# Altium PCB 全兼容主控.PCBDOC (part 5 of 9) (continued)
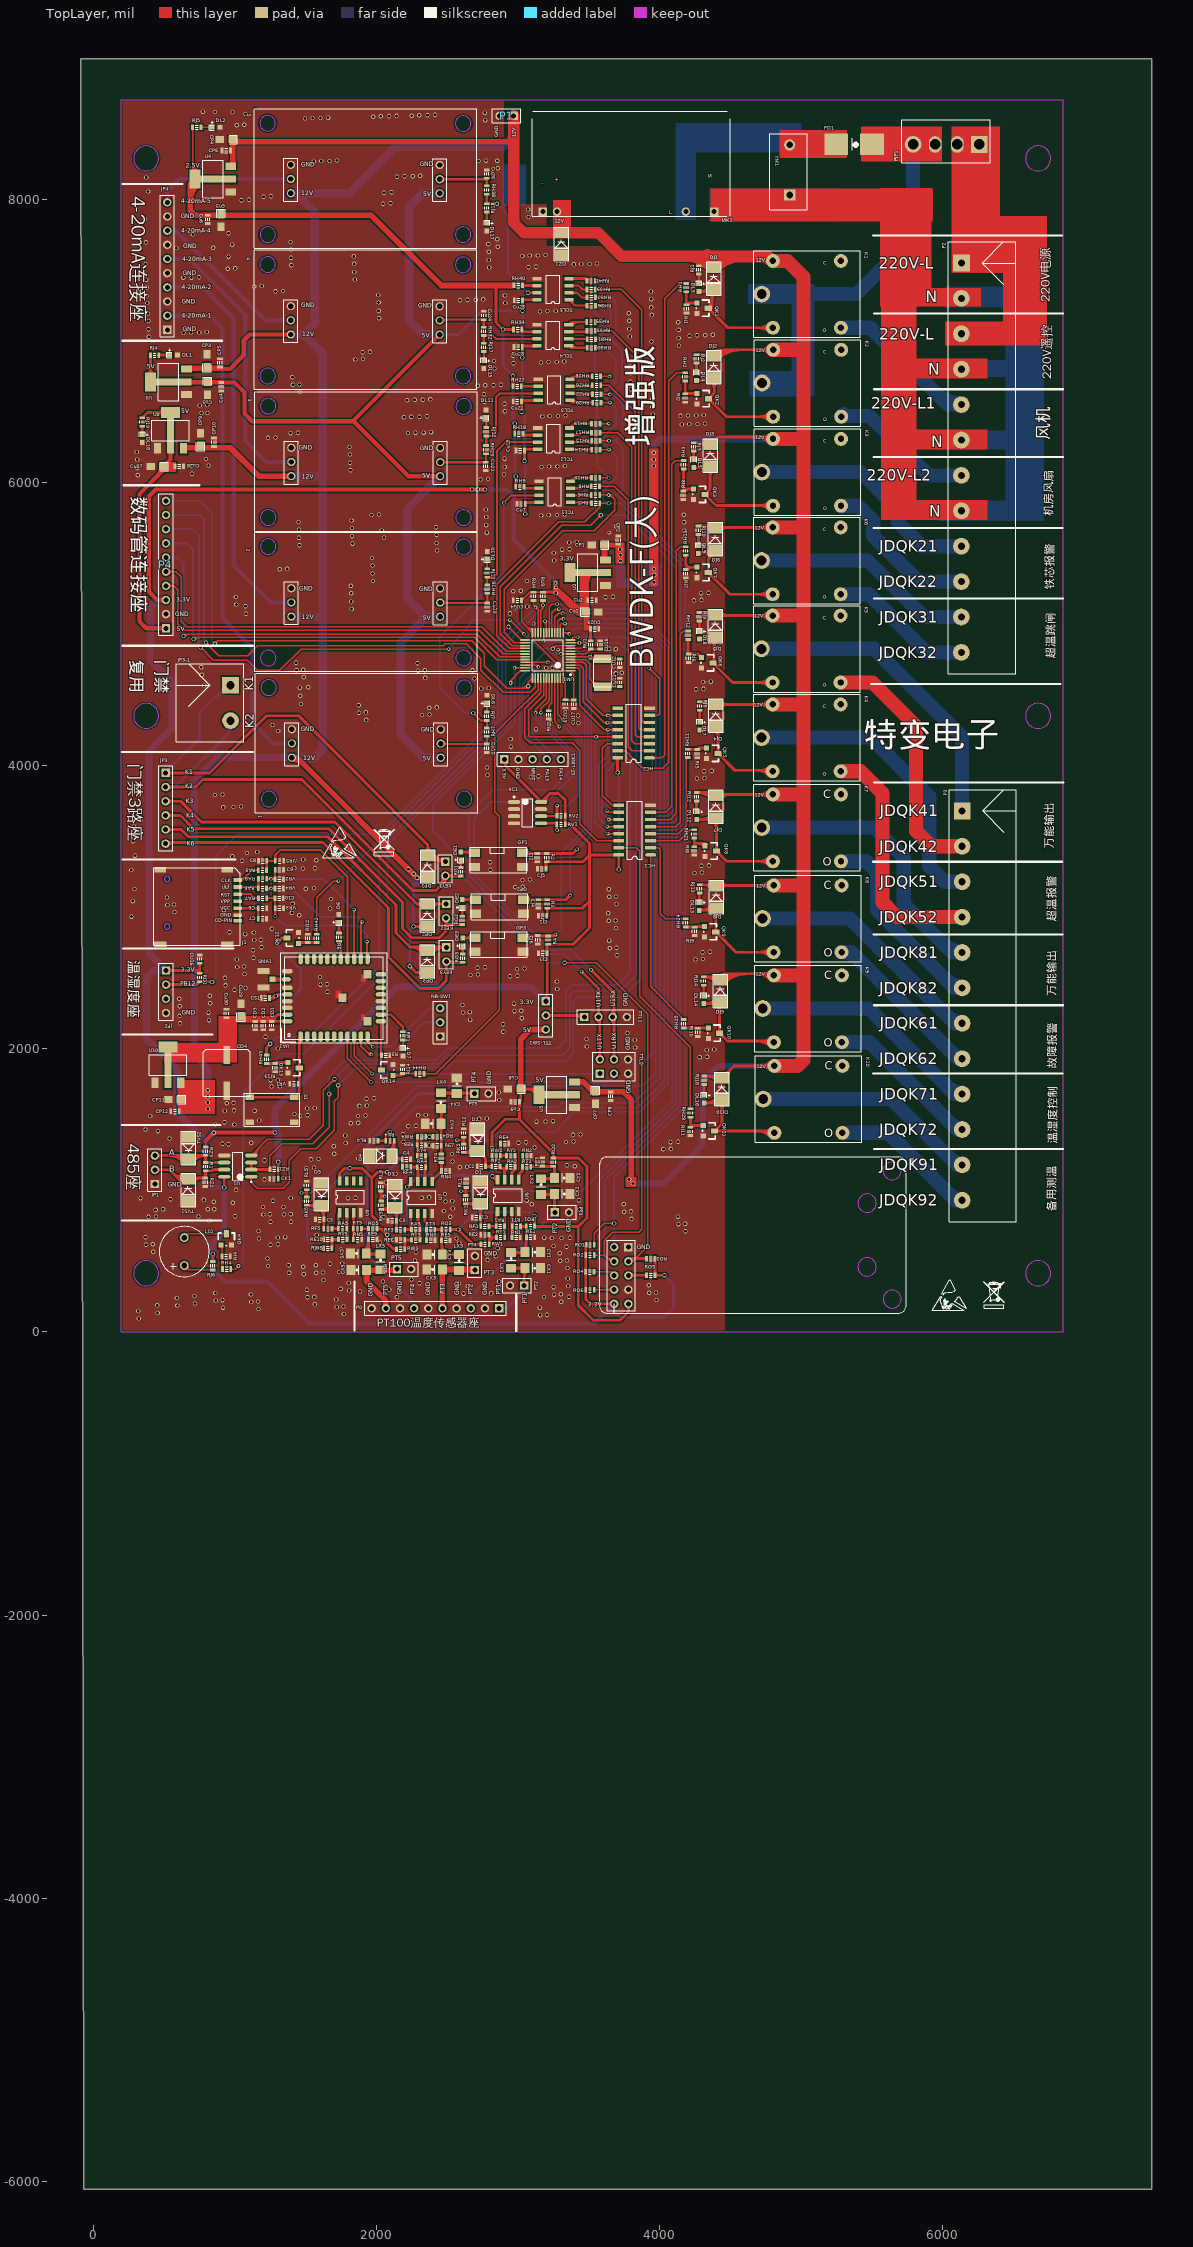
[diagram p0: TopLayer view]
## Nets (pads, with @x,y where several pads share a name; then routed paths per layer and width w, separated by ;. In a path a pad name is that pad's centre, name@x,y a point inside that pad or via, vN(x,y) a via of type N, cw(c..) or ccw(c..) an arc to the next point about the centre after c; other vN are vias at no path point) (continued)
NetDJ7_1: DJ7.1 DL12.2 K7.5 QK8.1 | length 2252
  TopLayer w20: DL12.2@4261.72,3619.29 DJ7.1@4413.12,3619.29 ; DJ7.1@4401.79,3635.24 QK8.1@4401.79,3395.32 4473.92,3323.19 K7.5@4800.61,3323.19 ; 4290.95,3619.29 ccw(c4290.95,3727.51) DJ7.1@4367.47,3650.99 ; 4290.95,3619.29 ccw(c4290.95,3727.51) DJ7.1@4367.47,3650.99 ; 4290.95,3619.29 ccw(c4290.95,3727.51) DJ7.1@4367.47,3650.99 ; 4339.23,3619.29 ccw(c4339.23,3679.23) DJ7.1@4381.61,3636.85 ; 4339.23,3619.29 ccw(c4339.23,3679.23) DJ7.1@4381.61,3636.85 ; 4339.23,3619.29 ccw(c4339.23,3679.23) DJ7.1@4381.61,3636.85 ; 4343.72,3619.29 cw(c4343.72,3585.7) DJ7.1@4367.47,3609.45 ; 4343.72,3619.29 cw(c4343.72,3585.7) DJ7.1@4367.47,3609.45 ; 4343.72,3619.29 cw(c4343.72,3585.7) DJ7.1@4367.47,3609.45 ; DJ7.1@4377.31,3609.45 cw(c4318.21,3550.35) 4401.79,3550.35 ; DJ7.1@4377.31,3609.45 cw(c4318.21,3550.35) 4401.79,3550.35 ; DJ7.1@4377.31,3609.45 cw(c4318.21,3550.35) 4401.79,3550.35 ; QK8.1@4396.14,3400.97 ccw(c4382.48,3414.63) 4401.79,3414.63 ; QK8.1@4396.14,3400.97 ccw(c4382.48,3414.63) 4401.79,3414.63 ; QK8.1@4396.14,3400.97 ccw(c4382.48,3414.63) 4401.79,3414.63 ; 4401.79,3414.63 ccw(c4421.11,3414.63) QK8.1@4407.45,3400.97 ; 4401.79,3414.63 ccw(c4421.11,3414.63) QK8.1@4407.45,3400.97 ; 4401.79,3414.63 ccw(c4421.11,3414.63) QK8.1@4407.45,3400.97 ; 4401.79,3568.28 cw(c4460.02,3568.28) DJ7.1@4418.85,3609.45 ; 4401.79,3568.28 cw(c4460.02,3568.28) DJ7.1@4418.85,3609.45 ; 4401.79,3568.28 cw(c4460.02,3568.28) DJ7.1@4418.85,3609.45 ; QK8.1@4416.79,3395.32 ccw(c4453.01,3395.32) 4427.4,3369.71 ; QK8.1@4416.79,3395.32 ccw(c4453.01,3395.32) 4427.4,3369.71 ; QK8.1@4416.79,3395.32 ccw(c4453.01,3395.32) 4427.4,3369.71 ; 4705.94,3323.19 cw(c4705.94,3228.52) K7.5@4772.88,3295.46 ; 4705.94,3323.19 ccw(c4705.94,3417.86) K7.5@4772.88,3350.92 ; 4705.94,3323.19 cw(c4705.94,3228.52) K7.5@4772.88,3295.46 ; 4705.94,3323.19 ccw(c4705.94,3417.86) K7.5@4772.88,3350.92 ; 4705.94,3323.19 cw(c4705.94,3228.52) K7.5@4772.88,3295.46 ; 4705.94,3323.19 ccw(c4705.94,3417.86) K7.5@4772.88,3350.92
NetDJ8_1: DJ8.1 DL13.2 K8.5 QK9.1 | length 2193.8
  TopLayer w20: DL13.2@4280.56,2977.43 4390.46,2977.43 DJ8.1@4396.16,2971.72 ; DJ8.1@4401.15,2993.59 4396.64,2989.08 QK9.1@4396.64,2825.28 4540.86,2681.06 K8.5@4805.53,2681.06 ; DL13.2@4281.37,2977.43 ccw(c4281.37,3103.53) DJ8.1@4370.54,3014.36 ; DL13.2@4281.37,2977.43 ccw(c4281.37,3103.53) DJ8.1@4370.54,3014.36 ; DL13.2@4281.37,2977.43 ccw(c4281.37,3103.53) DJ8.1@4370.54,3014.36 ; 4329.66,2977.43 ccw(c4329.66,3055.24) DJ8.1@4384.68,3000.22 ; 4329.66,2977.43 ccw(c4329.66,3055.24) DJ8.1@4384.68,3000.22 ; 4329.66,2977.43 ccw(c4329.66,3055.24) DJ8.1@4384.68,3000.22 ; DJ8.1@4380.38,2972.82 cw(c4341.13,2933.57) 4396.64,2933.57 ; DJ8.1@4380.38,2972.82 cw(c4341.13,2933.57) 4396.64,2933.57 ; DJ8.1@4380.38,2972.82 cw(c4341.13,2933.57) 4396.64,2933.57 ; QK9.1@4390.98,2830.94 ccw(c4377.33,2844.6) 4396.64,2844.6 ; QK9.1@4390.98,2830.94 ccw(c4377.33,2844.6) 4396.64,2844.6 ; QK9.1@4390.98,2830.94 ccw(c4377.33,2844.6) 4396.64,2844.6 ; 4396.64,2844.6 ccw(c4415.95,2844.6) QK9.1@4402.3,2830.94 ; 4396.64,2844.6 ccw(c4415.95,2844.6) QK9.1@4402.3,2830.94 ; 4396.64,2844.6 ccw(c4415.95,2844.6) QK9.1@4402.3,2830.94 ; 4396.64,2911.8 cw(c4482.94,2911.8) DJ8.1@4421.92,2972.82 ; 4396.64,2911.8 cw(c4482.94,2911.8) DJ8.1@4421.92,2972.82 ; 4396.64,2911.8 cw(c4482.94,2911.8) DJ8.1@4421.92,2972.82 ; QK9.1@4411.64,2825.28 ccw(c4447.85,2825.28) 4422.25,2799.68 ; QK9.1@4411.64,2825.28 ccw(c4447.85,2825.28) 4422.25,2799.68 ; QK9.1@4411.64,2825.28 ccw(c4447.85,2825.28) 4422.25,2799.68 ; 4710.86,2681.06 cw(c4710.86,2586.4) K8.5@4777.8,2653.34 ; 4710.86,2681.06 ccw(c4710.86,2775.73) K8.5@4777.8,2708.79 ; 4710.86,2681.06 cw(c4710.86,2586.4) K8.5@4777.8,2653.34 ; 4710.86,2681.06 ccw(c4710.86,2775.73) K8.5@4777.8,2708.79 ; 4710.86,2681.06 cw(c4710.86,2586.4) K8.5@4777.8,2653.34 ; 4710.86,2681.06 ccw(c4710.86,2775.73) K8.5@4777.8,2708.79
NetDJ9_1: DJ9.1 DL14.2 K9.5 QK10.1 | length 2365
  TopLayer w20: DL14.2@4311.57,2318.06 4426.32,2318.06 DJ9.1@4434.39,2309.99 ; DJ9.1@4423.27,2340.88 4424.24,2339.91 QK10.1@4424.24,2109.06 4480.05,2053.25 K9.5@4811.43,2053.25 ; DL14.2@4324.77,2318.06 ccw(c4324.77,2423.28) DJ9.1@4399.17,2348.88 ; DL14.2@4324.77,2318.06 ccw(c4324.77,2423.28) DJ9.1@4399.17,2348.88 ; DL14.2@4324.77,2318.06 ccw(c4324.77,2423.28) DJ9.1@4399.17,2348.88 ; 4373.05,2318.06 ccw(c4373.05,2374.99) DJ9.1@4413.31,2334.73 ; 4373.05,2318.06 ccw(c4373.05,2374.99) DJ9.1@4413.31,2334.73 ; 4373.05,2318.06 ccw(c4373.05,2374.99) DJ9.1@4413.31,2334.73 ; 4373.3,2318.06 cw(c4373.3,2281.47) DJ9.1@4399.17,2307.34 ; 4373.3,2318.06 cw(c4373.3,2281.47) DJ9.1@4399.17,2307.34 ; 4373.3,2318.06 cw(c4373.3,2281.47) DJ9.1@4399.17,2307.34 ; DJ9.1@4399.17,2307.34 cw(c4338.65,2246.82) 4424.24,2246.82 ; DJ9.1@4399.17,2307.34 cw(c4338.65,2246.82) 4424.24,2246.82 ; DJ9.1@4399.17,2307.34 cw(c4338.65,2246.82) 4424.24,2246.82 ; QK10.1@4418.58,2114.72 ccw(c4404.93,2128.37) 4424.24,2128.37 ; QK10.1@4418.58,2114.72 ccw(c4404.93,2128.37) 4424.24,2128.37 ; QK10.1@4418.58,2114.72 ccw(c4404.93,2128.37) 4424.24,2128.37 ; 4424.24,2128.37 ccw(c4443.55,2128.37) QK10.1@4429.9,2114.72 ; 4424.24,2128.37 ccw(c4443.55,2128.37) QK10.1@4429.9,2114.72 ; 4424.24,2128.37 ccw(c4443.55,2128.37) QK10.1@4429.9,2114.72 ; 4424.24,2267.58 cw(c4480.46,2267.58) DJ9.1@4440.71,2307.34 ; 4424.24,2267.58 cw(c4480.46,2267.58) DJ9.1@4440.71,2307.34 ; 4424.24,2267.58 cw(c4480.46,2267.58) DJ9.1@4440.71,2307.34 ; QK10.1@4439.24,2109.06 ccw(c4475.45,2109.06) 4449.85,2083.45 ; QK10.1@4439.24,2109.06 ccw(c4475.45,2109.06) 4449.85,2083.45 ; QK10.1@4439.24,2109.06 ccw(c4475.45,2109.06) 4449.85,2083.45 ; 4693.84,2053.25 cw(c4693.84,1932.19) K9.5@4779.44,2017.79 ; 4693.84,2053.25 cw(c4693.84,1932.19) K9.5@4779.44,2017.79 ; 4693.84,2053.25 cw(c4693.84,1932.19) K9.5@4779.44,2017.79 ; 4731.16,2053.25 ccw(c4731.16,2121.53) K9.5@4779.44,2073.25 ; 4731.16,2053.25 ccw(c4731.16,2121.53) K9.5@4779.44,2073.25 ; 4731.16,2053.25 ccw(c4731.16,2121.53) K9.5@4779.44,2073.25 ; 4742.13,2053.25 cw(c4742.13,1980.48) K9.5@4793.59,2031.94 ; 4742.13,2053.25 cw(c4742.13,1980.48) K9.5@4793.59,2031.94 ; 4742.13,2053.25 cw(c4742.13,1980.48) K9.5@4793.59,2031.94
NetDJ10_1: DJ10.1 DL16.2 K10.5 QK11.1 | length 2524.4
  TopLayer w20: DJ10.1@4441.27,1636.13 4441.27,1472.59 QK11.1@4388.26,1419.57 4796.96,1419.57 4814.86,1401.68 K10.5@4817.94,1401.68 ; DJ10.1@4454.77,1615.91 DL16.2@4314.65,1615.91 ; DL16.2@4314.65,1615.91 ccw(c4314.66,1748.84) DJ10.1@4410.3,1656.53 ; DL16.2@4314.65,1615.91 ccw(c4314.66,1748.84) DJ10.1@4410.3,1656.53 ; DL16.2@4314.65,1615.91 ccw(c4314.66,1748.84) DJ10.1@4410.3,1656.53 ; 4361.76,1615.91 ccw(c4361.76,1703.38) DJ10.1@4424.69,1642.64 ; 4361.76,1615.91 ccw(c4361.76,1703.38) DJ10.1@4424.69,1642.64 ; 4361.76,1615.91 ccw(c4361.76,1703.38) DJ10.1@4424.69,1642.64 ; QK11.1@4400.92,1413.92 cw(c4414.58,1400.26) 4414.58,1419.58 ; QK11.1@4400.92,1413.92 cw(c4414.58,1400.26) 4414.58,1419.58 ; QK11.1@4400.92,1413.92 cw(c4414.58,1400.26) 4414.58,1419.58 ; QK11.1@4400.92,1425.23 ccw(c4414.58,1438.89) 4414.58,1419.57 ; QK11.1@4400.92,1425.23 ccw(c4414.58,1438.89) 4414.58,1419.57 ; QK11.1@4400.92,1425.23 ccw(c4414.58,1438.89) 4414.58,1419.57 ; QK11.1@4403.26,1419.57 cw(c4439.48,1419.57) 4413.87,1445.18 ; QK11.1@4403.26,1419.57 cw(c4439.48,1419.57) 4413.87,1445.18 ; QK11.1@4403.26,1419.57 cw(c4439.48,1419.57) 4413.87,1445.18 ; DJ10.1@4420.51,1615.36 cw(c4370.37,1565.22) 4441.27,1565.22 ; DJ10.1@4420.51,1615.36 cw(c4370.37,1565.22) 4441.27,1565.22 ; DJ10.1@4420.51,1615.36 cw(c4370.37,1565.22) 4441.27,1565.22 ; 4441.27,1565.22 cw(c4512.18,1565.22) DJ10.1@4462.04,1615.36 ; 4441.27,1565.22 cw(c4512.18,1565.22) DJ10.1@4462.04,1615.36 ; 4441.27,1565.22 cw(c4512.18,1565.22) DJ10.1@4462.04,1615.36 ; 4682.63,1419.57 cw(c4682.63,1277.44) K10.5@4783.13,1377.94 ; 4682.63,1419.57 cw(c4682.63,1277.44) K10.5@4783.13,1377.94 ; 4682.63,1419.57 cw(c4682.63,1277.44) K10.5@4783.13,1377.94 ; 4730.91,1419.58 cw(c4730.91,1325.72) K10.5@4797.27,1392.09 ; 4730.91,1419.58 cw(c4730.91,1325.72) K10.5@4797.27,1392.09 ; 4730.91,1419.58 cw(c4730.91,1325.72) K10.5@4797.27,1392.09 ; 4749.76,1419.57 ccw(c4749.76,1466.78) K10.5@4783.13,1433.4 ; 4749.76,1419.57 ccw(c4749.76,1466.78) K10.5@4783.13,1433.4 ; 4749.76,1419.57 ccw(c4749.76,1466.78) K10.5@4783.13,1433.4
NetDL1_1: DL1.1 RJ4.2 | length 123.4
  TopLayer w20: RJ4.2@462.93,6898.19 538.71,6898.19 DL1.1@539.83,6899.32 ; 520.44,6898.19 ccw(c520.44,6917.71) DL1.1@534.24,6903.91 ; 520.44,6898.19 ccw(c520.44,6917.71) DL1.1@534.24,6903.91 ; 520.44,6898.19 ccw(c520.44,6917.71) DL1.1@534.24,6903.91
NetDL2_1: DL2.1 RJ5.2 | length 265
  TopLayer w10: RJ5.2@761.08,8507.38 838.96,8507.38 DL2.1@839.78,8506.56 ; RJ5.2@764.51,8503.96 cw(c772.78,8495.69) 772.78,8507.38 ; RJ5.2@764.51,8503.96 cw(c772.78,8495.69) 772.78,8507.38 ; RJ5.2@764.51,8503.96 cw(c772.78,8495.69) 772.78,8507.38 ; RJ5.2@764.51,8510.81 ccw(c772.78,8519.08) 772.78,8507.38 ; RJ5.2@764.51,8510.81 ccw(c772.78,8519.08) 772.78,8507.38 ; RJ5.2@764.51,8510.81 ccw(c772.78,8519.08) 772.78,8507.38 ; 809.03,8507.38 cw(c809.03,8476.82) DL2.1@830.65,8498.43 ; 809.03,8507.38 cw(c809.03,8476.82) DL2.1@830.65,8498.43 ; 809.03,8507.38 cw(c809.03,8476.82) DL2.1@830.65,8498.43 ; 813,8507.39 ccw(c813,8532.34) DL2.1@830.65,8514.69 ; 813,8507.39 ccw(c813,8532.34) DL2.1@830.65,8514.69 ; 813,8507.39 ccw(c813,8532.34) DL2.1@830.65,8514.69
NetDL3_1: DL3.1 RJ1.2 | length 68.5
  TopLayer w20: RJ1.2@4277.03,7471.08 4278.68,7469.44 DL3.1@4278.68,7403.3
NetDL4_1: DL4.1 RJ2.2 | length 68.4
  TopLayer w20: RJ2.2@4260.78,6842.06 4261.37,6841.47 DL4.1@4261.37,6773.88
NetDL5_1: DL5.1 RJ3.2 | length 61.5
  TopLayer w20: DL5.1@4240.94,6159.44 4240.94,6219.62 RJ3.2@4241.9,6220.58
NetDL6_1: DL6.1 RJ7.2 | length 166.7
  TopLayer w15: RJ7.2@2780.14,4377.07 2780.14,4440.36 DL6.1@2780.89,4441.11 ; DL6.1@2774.53,4433.75 cw(c2760.96,4420.18) 2780.14,4420.18 ; DL6.1@2774.53,4433.75 cw(c2760.96,4420.18) 2780.14,4420.18 ; DL6.1@2774.53,4433.75 cw(c2760.96,4420.18) 2780.14,4420.18 ; 2780.14,4416.58 cw(c2804.42,4416.58) DL6.1@2787.25,4433.75 ; 2780.14,4416.58 cw(c2804.42,4416.58) DL6.1@2787.25,4433.75 ; 2780.14,4416.58 cw(c2804.42,4416.58) DL6.1@2787.25,4433.75
NetDL7_1: DL7.1 RJ8.2 | length 84.4
  TopLayer w20: DL7.1@4284.03,4306.22 RJ8.2@4284.02,4390.6
NetDL8_1: DL8.1 RJ9.2 | length 72.4
  TopLayer w20: DL8.1@4281.39,4946.96 RJ9.2@4281.39,5019.33
NetDL9_1: DL9.1 RJ10.2 | length 122.2
  TopLayer w20: DL9.1@4274.32,5553.67 4275.13,5554.49 RJ10.2@4275.13,5632.04 ; DL9.1@4269.72,5559.27 ccw(c4256.66,5572.33) 4275.13,5572.33 ; DL9.1@4269.72,5559.27 ccw(c4256.66,5572.33) 4275.13,5572.33 ; DL9.1@4269.72,5559.27 ccw(c4256.66,5572.33) 4275.13,5572.33
NetDL10_1: DL10.1 RJ11.2 | length 171
  TopLayer w15: RJ11.2@2782.4,5388.94 DL10.1@2782.4,5457.53 ; DL10.1@2776.04,5450.16 cw(c2760.67,5434.8) 2782.4,5434.8 ; DL10.1@2776.04,5450.16 cw(c2760.67,5434.8) 2782.4,5434.8 ; DL10.1@2776.04,5450.16 cw(c2760.67,5434.8) 2782.4,5434.8 ; 2782.4,5434.8 cw(c2804.13,5434.8) DL10.1@2788.77,5450.16 ; 2782.4,5434.8 cw(c2804.13,5434.8) DL10.1@2788.77,5450.16 ; 2782.4,5434.8 cw(c2804.13,5434.8) DL10.1@2788.77,5450.16
NetDL11_1: DL11.1 RJ15.2 | length 173.8
  TopLayer w15: DL11.1@2774.28,6457.26 2776.06,6455.48 RJ15.2@2776.06,6386.59 ; DL11.1@2767.91,6449.9 cw(c2748.25,6430.24) 2776.06,6430.24 ; DL11.1@2767.91,6449.9 cw(c2748.25,6430.24) 2776.06,6430.24 ; DL11.1@2767.91,6449.9 cw(c2748.25,6430.24) 2776.06,6430.24 ; 2776.06,6438.84 cw(c2791.7,6438.84) DL11.1@2780.64,6449.9 ; 2776.06,6438.84 cw(c2791.7,6438.84) DL11.1@2780.64,6449.9 ; 2776.06,6438.84 cw(c2791.7,6438.84) DL11.1@2780.64,6449.9
NetDL12_1: DL12.1 RJ12.2 | length 75
  TopLayer w20: DL12.1@4261.72,3674.29 RJ12.2@4261.72,3749.26
NetDL13_1: DL13.1 RJ13.2 | length 67.4
  TopLayer w20: DL13.1@4280.56,3032.43 4280.56,3097.24 RJ13.2@4282.4,3099.09
NetDL14_1: DL14.1 RJ14.2 | length 75.6
  TopLayer w20: RJ14.2@4310.56,2448.19 4311.57,2447.18 DL14.1@4311.57,2373.06
NetDL15_1: DL15.1 RJ17.2 | length 167
  TopLayer w15: DL15.1@2758.76,6858.78 RJ17.2@2758.76,6923.36 ; DL15.1@2752.39,6866.14 ccw(c2737.03,6881.5) 2758.76,6881.5 ; DL15.1@2752.39,6866.14 ccw(c2737.03,6881.5) 2758.76,6881.5 ; DL15.1@2752.39,6866.14 ccw(c2737.03,6881.5) 2758.76,6881.5 ; 2758.76,6881.5 ccw(c2780.49,6881.5) DL15.1@2765.12,6866.14 ; 2758.76,6881.5 ccw(c2780.49,6881.5) DL15.1@2765.12,6866.14 ; 2758.76,6881.5 ccw(c2780.49,6881.5) DL15.1@2765.12,6866.14
NetDL16_1: DL16.1 RJ16.2 | length 76.6
  TopLayer w20: DL16.1@4314.65,1670.91 4314.65,1746.06 RJ16.2@4315.66,1747.07
NetDL17_1: DL17.1 RJ18.2 | length 134.5
  TopLayer w20: RJ18.2@2779.41,7908.3 2779.41,7833.1 DL17.1@2781.77,7830.73 ; 2779.41,7853.13 ccw(c2803.16,7853.13) DL17.1@2786.36,7836.33 ; 2779.41,7853.13 ccw(c2803.16,7853.13) DL17.1@2786.36,7836.33 ; 2779.41,7853.13 ccw(c2803.16,7853.13) DL17.1@2786.36,7836.33
NetDL18_1: DL18.1 RJ19.2 | length 59.8
  TopLayer w20: RJ19.2@345.15,6396.2 345.91,6395.43 DL18.1@345.91,6336.72
NetHC1_9: HC1.9 HC2.14 | length 759.1
  TopLayer w10: HC2.14@3703.94,4153.48 3628.84,4153.48 3595.41,4120.05 3595.41,3787.57 3664.44,3718.53 HC1.9@3711.74,3718.53 ; 3661.04,4153.48 cw(c3661.04,4136.58) HC2.14@3672.99,4148.53 ; 3661.04,4153.48 ccw(c3661.04,4170.38) HC2.14@3672.99,4158.43 ; 3661.04,4153.48 cw(c3661.04,4136.58) HC2.14@3672.99,4148.53 ; 3661.04,4153.48 ccw(c3661.04,4170.38) HC2.14@3672.99,4158.43 ; 3661.04,4153.48 cw(c3661.04,4136.58) HC2.14@3672.99,4148.53 ; 3661.04,4153.48 ccw(c3661.04,4170.38) HC2.14@3672.99,4158.43 ; 3668.84,3718.53 cw(c3668.84,3701.63) HC1.9@3680.79,3713.58 ; 3668.84,3718.53 ccw(c3668.84,3735.43) HC1.9@3680.79,3723.48 ; 3668.84,3718.53 cw(c3668.84,3701.63) HC1.9@3680.79,3713.58 ; 3668.84,3718.53 ccw(c3668.84,3735.43) HC1.9@3680.79,3723.48 ; 3668.84,3718.53 cw(c3668.84,3701.63) HC1.9@3680.79,3713.58 ; 3668.84,3718.53 ccw(c3668.84,3735.43) HC1.9@3680.79,3723.48
NetJ1_5: J1.5 RA7.2 | length 157.1
  TopLayer w15: J1.5@1021.23,3091.59 1113.28,3091.59 1141.98,3062.88 RA7.2@1166.45,3062.88
NetJ1_6: J1.6 RA6.1 RA8.2 | length 215.5
  TopLayer w15: J1.6@1021.23,3141.59 1156.22,3141.59 RA6.1@1165.72,3132.09 1165.72,3198.17 RA8.2@1166.44,3198.89
NetJ1_7: J1.7 RA9.1 | length 289.6
  TopLayer w15: J1.7@1021.23,3191.59 1053.08,3191.59 1122.78,3261.28 RA9.1@1165.77,3261.28 ; J1.7@1037.96,3196.88 ccw(c1037.96,3246.18) 1072.82,3211.32 ; J1.7@1037.96,3196.88 ccw(c1037.96,3246.18) 1072.82,3211.32 ; J1.7@1037.96,3196.88 ccw(c1037.96,3246.18) 1072.82,3211.32
NetLS1_1: LS1.1 RJ6.2 | length 420.5
  TopLayer w10: LS1.1@642.46,468.56 673.43,437.58 ; RJ6.2@845.08,437.58 673.43,437.58 ; LS1.1@650.35,443.27 cw(c657.19,421.35) 673.43,437.58 ; LS1.1@650.35,443.27 cw(c657.19,421.35) 673.43,437.58 ; LS1.1@650.35,443.27 cw(c657.19,421.35) 673.43,437.58 ; LS1.1@667.75,460.67 ccw(c689.67,453.82) 673.43,437.58 ; LS1.1@667.75,460.67 ccw(c689.67,453.82) 673.43,437.58 ; LS1.1@667.75,460.67 ccw(c689.67,453.82) 673.43,437.58 ; 823.55,437.58 cw(c823.55,425.89) RJ6.2@831.82,434.16 ; 823.55,437.58 ccw(c823.55,449.27) RJ6.2@831.82,441.01 ; 823.55,437.58 cw(c823.55,425.89) RJ6.2@831.82,434.16 ; 823.55,437.58 ccw(c823.55,449.27) RJ6.2@831.82,441.01 ; 823.55,437.58 cw(c823.55,425.89) RJ6.2@831.82,434.16 ; 823.55,437.58 ccw(c823.55,449.27) RJ6.2@831.82,441.01
NetLS1_2: LS1.2 QK4.1 | length 564.3
  TopLayer w10: LS1.2@642.45,665.41 669.68,692.64 ; QK4.1@941.06,692.64 669.68,692.64 ; LS1.2@653.26,689.6 ccw(c659.26,703.05) 669.68,692.63 ; LS1.2@653.26,689.6 ccw(c659.26,703.05) 669.68,692.63 ; LS1.2@653.26,689.6 ccw(c659.26,703.05) 669.68,692.63 ; LS1.2@666.64,676.21 cw(c680.09,682.22) 669.68,692.63 ; LS1.2@666.64,676.21 cw(c680.09,682.22) 669.68,692.63 ; LS1.2@666.64,676.21 cw(c680.09,682.22) 669.68,692.63 ; 909.67,692.64 cw(c909.67,661.25) QK4.1@931.86,683.44 ; 909.67,692.64 ccw(c909.67,724.02) QK4.1@931.86,701.83 ; 909.67,692.64 cw(c909.67,661.25) QK4.1@931.86,683.44 ; 909.67,692.64 ccw(c909.67,724.02) QK4.1@931.86,701.83 ; 909.67,692.64 cw(c909.67,661.25) QK4.1@931.86,683.44 ; 909.67,692.64 ccw(c909.67,724.02) QK4.1@931.86,701.83
NetQK1_2: QK1.2 RH1.1 RI1.1 | length 406.5
  TopLayer w20: RH1.1@4188.69,7345.9 4188.69,7256.3 RI1.1@4190.4,7254.59 4203.29,7267.48 ; QK1.2@4263.76,7267.48 4203.29,7267.48 ; RI1.1@4200.1,7254.54 cw(c4212.4,7258.37) 4203.29,7267.48 ; RI1.1@4200.1,7254.54 cw(c4212.4,7258.37) 4203.29,7267.48 ; RI1.1@4200.1,7254.54 cw(c4212.4,7258.37) 4203.29,7267.48 ; RI1.1@4200.14,7254.7 cw(c4230.97,7223.87) 4230.97,7267.48 ; RI1.1@4200.14,7254.7 cw(c4230.97,7223.87) 4230.97,7267.48 ; RI1.1@4200.14,7254.7 cw(c4230.97,7223.87) 4230.97,7267.48 ; 4244.44,7267.48 cw(c4244.44,7248.16) QK1.2@4258.1,7261.82 ; 4244.44,7267.48 ccw(c4244.44,7286.79) QK1.2@4258.1,7273.13 ; 4244.44,7267.48 cw(c4244.44,7248.16) QK1.2@4258.1,7261.82 ; 4244.44,7267.48 ccw(c4244.44,7286.79) QK1.2@4258.1,7273.13 ; 4244.44,7267.48 cw(c4244.44,7248.16) QK1.2@4258.1,7261.82 ; 4244.44,7267.48 ccw(c4244.44,7286.79) QK1.2@4258.1,7273.13
NetQK2_2: QK2.2 RH2.1 RI2.1 | length 267.5
  TopLayer w20: RH2.1@4179.9,6715.1 4181,6714.01 RI2.1@4181,6624.85 4184.36,6628.22 QK2.2@4265.35,6628.22 ; 4246.04,6628.22 cw(c4246.04,6608.9) QK2.2@4259.7,6622.56 ; 4246.04,6628.22 ccw(c4246.04,6647.53) QK2.2@4259.7,6633.87 ; 4246.04,6628.22 cw(c4246.04,6608.9) QK2.2@4259.7,6622.56 ; 4246.04,6628.22 ccw(c4246.04,6647.53) QK2.2@4259.7,6633.87 ; 4246.04,6628.22 cw(c4246.04,6608.9) QK2.2@4259.7,6622.56 ; 4246.04,6628.22 ccw(c4246.04,6647.53) QK2.2@4259.7,6633.87
NetQK3_2: QK3.2 RH3.1 RI3.1 | length 493
  TopLayer w20: RI3.1@4168.02,5937.85 4183.03,5952.87 ; RI3.1@4169.63,5939.47 RH3.1@4169.63,6094.09 ; QK3.2@4239.79,5952.87 4183.03,5952.87 ; RI3.1@4177.7,5937.84 cw(c4196.14,5939.76) 4183.03,5952.87 ; RI3.1@4177.7,5937.84 cw(c4196.14,5939.76) 4183.03,5952.87 ; RI3.1@4177.7,5937.84 cw(c4196.14,5939.76) 4183.03,5952.87 ; RI3.1@4177.75,5937.96 cw(c4213.73,5901.98) 4213.73,5952.87 ; RI3.1@4177.75,5937.96 cw(c4213.73,5901.98) 4213.73,5952.87 ; RI3.1@4177.75,5937.96 cw(c4213.73,5901.98) 4213.73,5952.87 ; 4220.47,5952.87 cw(c4220.47,5933.56) QK3.2@4234.13,5947.21 ; 4220.47,5952.87 ccw(c4220.47,5972.18) QK3.2@4234.13,5958.53 ; 4220.47,5952.87 cw(c4220.47,5933.56) QK3.2@4234.13,5947.21 ; 4220.47,5952.87 ccw(c4220.47,5972.18) QK3.2@4234.13,5958.53 ; 4220.47,5952.87 cw(c4220.47,5933.56) QK3.2@4234.13,5947.21 ; 4220.47,5952.87 ccw(c4220.47,5972.18) QK3.2@4234.13,5958.53
NetQK4_2: QK4.2 RH4.1 RI4.1 | length 585.7
  TopLayer w10: QK4.2@903.06,612.64 912.51,603.18 RH4.1@912.51,443.78 ; QK4.2@893.86,603.44 cw(c848.84,558.42) 912.51,558.42 ; QK4.2@893.86,603.44 cw(c848.84,558.42) 912.51,558.42 ; QK4.2@893.86,603.44 cw(c848.84,558.42) 912.51,558.42 ; QK4.2@900.93,610.51 cw(c872.98,582.56) 912.51,582.56 ; QK4.2@900.93,610.51 cw(c872.98,582.56) 912.51,582.56 ; QK4.2@900.93,610.51 cw(c872.98,582.56) 912.51,582.56 ; RI4.1@905.38,519.42 cw(c888.17,502.21) 912.51,502.21 ; RI4.1@905.38,519.42 cw(c888.17,502.21) 912.51,502.21 ; RI4.1@905.38,519.42 cw(c888.17,502.21) 912.51,502.21 ; RI4.1@905.38,545.96 ccw(c888.17,563.17) 912.51,563.17 ; RI4.1@905.38,545.96 ccw(c888.17,563.17) 912.51,563.17 ; RI4.1@905.38,545.96 ccw(c888.17,563.17) 912.51,563.17 ; RH4.1@909.09,457.05 ccw(c900.82,465.31) 912.51,465.31 ; RH4.1@909.09,457.05 ccw(c900.82,465.31) 912.51,465.31 ; RH4.1@909.09,457.05 ccw(c900.82,465.31) 912.51,465.31 ; 912.51,465.31 ccw(c924.2,465.31) RH4.1@915.94,457.05 ; 912.51,465.31 ccw(c924.2,465.31) RH4.1@915.94,457.05 ; 912.51,465.31 ccw(c924.2,465.31) RH4.1@915.94,457.05
NetQK5_2: QK5.2 RH11.1 RI5.1 | length 303.1
  TopLayer w20: RH11.1@4201.11,4114.14 4265.3,4114.14 RI5.1@4266.15,4113.29 4275.84,4122.97 QK5.2@4331.79,4122.97 ; RI5.1@4275.88,4113.4 cw(c4298.99,4090.29) 4298.99,4122.97 ; RI5.1@4275.88,4113.4 cw(c4298.99,4090.29) 4298.99,4122.97 ; RI5.1@4275.88,4113.4 cw(c4298.99,4090.29) 4298.99,4122.97 ; 4312.48,4122.97 cw(c4312.48,4103.66) QK5.2@4326.14,4117.31 ; 4312.48,4122.97 ccw(c4312.48,4142.28) QK5.2@4326.14,4128.63 ; 4312.48,4122.97 cw(c4312.48,4103.66) QK5.2@4326.14,4117.31 ; 4312.48,4122.97 ccw(c4312.48,4142.28) QK5.2@4326.14,4128.63 ; 4312.48,4122.97 cw(c4312.48,4103.66) QK5.2@4326.14,4117.31 ; 4312.48,4122.97 ccw(c4312.48,4142.28) QK5.2@4326.14,4128.63
NetQK6_2: QK6.2 RH12.1 RI6.1 | length 298.3
  TopLayer w20: RH12.1@4201.77,4890.53 4201.77,4790.61 RI6.1@4204.99,4787.39 4272.15,4787.39 QK6.2@4297.38,4762.17 ; QK6.2@4283.72,4775.83 cw(c4270.06,4762.17) QK6.2@4289.38,4762.17 ; QK6.2@4283.72,4775.83 ccw(c4297.38,4789.48) QK6.2@4297.38,4770.17 ; QK6.2@4283.72,4775.83 cw(c4270.06,4762.17) QK6.2@4289.38,4762.17 ; QK6.2@4283.72,4775.83 ccw(c4297.38,4789.48) QK6.2@4297.38,4770.17 ; QK6.2@4283.72,4775.83 cw(c4270.06,4762.17) QK6.2@4289.38,4762.17 ; QK6.2@4283.72,4775.83 ccw(c4297.38,4789.48) QK6.2@4297.38,4770.17
NetQK7_2: QK7.2 RH13.1 RI7.1 | length 458
  TopLayer w20: RI7.1@4184.91,5383.88 4201.68,5400.66 ; RH13.1@4184.91,5485.46 4184.91,5417.44 4201.68,5400.66 ; QK7.2@4264,5400.66 4201.68,5400.66 ; RI7.1@4194.59,5383.88 cw(c4217.97,5383.88) 4201.44,5400.41 ; RI7.1@4194.59,5383.88 cw(c4217.97,5383.88) 4201.44,5400.41 ; RI7.1@4194.59,5383.88 cw(c4217.97,5383.88) 4201.44,5400.41 ; RI7.1@4194.64,5383.99 cw(c4234.87,5343.75) 4234.87,5400.66 ; RI7.1@4194.64,5383.99 cw(c4234.87,5343.75) 4234.87,5400.66 ; RI7.1@4194.64,5383.99 cw(c4234.87,5343.75) 4234.87,5400.66 ; 4244.69,5400.66 cw(c4244.69,5381.35) QK7.2@4258.34,5395 ; 4244.69,5400.66 ccw(c4244.69,5419.97) QK7.2@4258.34,5406.32 ; 4244.69,5400.66 cw(c4244.69,5381.35) QK7.2@4258.34,5395 ; 4244.69,5400.66 ccw(c4244.69,5419.97) QK7.2@4258.34,5406.32 ; 4244.69,5400.66 cw(c4244.69,5381.35) QK7.2@4258.34,5395 ; 4244.69,5400.66 ccw(c4244.69,5419.97) QK7.2@4258.34,5406.32
NetQK8_2: QK8.2 RH21.1 RI8.1 | length 410.9
  TopLayer w20: RH21.1@4243.99,3486.92 4244.57,3486.34 RI8.1@4244.57,3426.57 ; 4244.57,3451.24 4303.87,3451.24 QK8.2@4321.79,3433.32 ; 4259.21,3451.24 cw(c4259.21,3370.73) QK8.2@4316.14,3427.66 ; 4259.21,3451.24 cw(c4259.21,3370.73) QK8.2@4316.14,3427.66 ; 4259.21,3451.24 cw(c4259.21,3370.73) QK8.2@4316.14,3427.66 ; QK8.2@4307.49,3451.24 cw(c4307.49,3419.01) QK8.2@4330.28,3441.8 ; QK8.2@4307.49,3451.24 cw(c4307.49,3419.01) QK8.2@4330.28,3441.8 ; QK8.2@4307.49,3451.24 cw(c4307.49,3419.01) QK8.2@4330.28,3441.8
NetQK9_2: QK9.2 RH24.1 RI9.1 | length 266
  TopLayer w20: RH24.1@4183.92,2859.21 4246.39,2859.21 RI9.1@4247.37,2858.23 4252.43,2863.28 QK9.2@4316.64,2863.28 ; RI9.1@4257.1,2858.34 cw(c4269.04,2846.4) 4269.04,2863.28 ; RI9.1@4257.1,2858.34 cw(c4269.04,2846.4) 4269.04,2863.28 ; RI9.1@4257.1,2858.34 cw(c4269.04,2846.4) 4269.04,2863.28 ; 4297.33,2863.28 cw(c4297.33,2843.97) QK9.2@4310.98,2857.63 ; 4297.33,2863.28 ccw(c4297.33,2882.6) QK9.2@4310.98,2868.94 ; 4297.33,2863.28 cw(c4297.33,2843.97) QK9.2@4310.98,2857.63 ; 4297.33,2863.28 ccw(c4297.33,2882.6) QK9.2@4310.98,2868.94 ; 4297.33,2863.28 cw(c4297.33,2843.97) QK9.2@4310.98,2857.63 ; 4297.33,2863.28 ccw(c4297.33,2882.6) QK9.2@4310.98,2868.94
NetQK10_2: QK10.2 RH25.1 RI10.1 | length 227.1
  TopLayer w20: RH25.1@4170.74,2146.11 4343.29,2146.11 QK10.2@4344.24,2147.06 ; 4322.63,2146.11 ccw(c4322.63,2168.67) QK10.2@4338.58,2152.72 ; 4322.63,2146.11 ccw(c4322.63,2168.67) QK10.2@4338.58,2152.72 ; 4322.63,2146.11 ccw(c4322.63,2168.67) QK10.2@4338.58,2152.72
NetQK11_2: QK11.2 RH29.1 RI11.1 | length 401.4
  TopLayer w20: RH29.1@4218.27,1516.18 4217.69,1515.6 RI11.1@4217.69,1444.85 4230.42,1457.57 ; QK11.2@4308.26,1457.57 4230.42,1457.57 ; RI11.1@4227.38,1444.8 cw(c4239.27,1448.72) 4230.42,1457.57 ; RI11.1@4227.38,1444.8 cw(c4239.27,1448.72) 4230.42,1457.57 ; RI11.1@4227.38,1444.8 cw(c4239.27,1448.72) 4230.42,1457.57 ; RI11.1@4227.42,1444.96 cw(c4257.88,1414.5) 4257.88,1457.58 ; RI11.1@4227.42,1444.96 cw(c4257.88,1414.5) 4257.88,1457.58 ; RI11.1@4227.42,1444.96 cw(c4257.88,1414.5) 4257.88,1457.58 ; 4288.95,1457.58 cw(c4288.95,1438.26) QK11.2@4302.61,1451.92 ; 4288.95,1457.57 ccw(c4288.95,1476.89) QK11.2@4302.61,1463.23 ; 4288.95,1457.58 cw(c4288.95,1438.26) QK11.2@4302.61,1451.92 ; 4288.95,1457.57 ccw(c4288.95,1476.89) QK11.2@4302.61,1463.23 ; 4288.95,1457.58 cw(c4288.95,1438.26) QK11.2@4302.61,1451.92 ; 4288.95,1457.57 ccw(c4288.95,1476.89) QK11.2@4302.61,1463.23
NetQK12_2: QK12.2 RH42.1 RI12.1 | length 217.9
  TopLayer w20: QK12.2@1448.44,2744.19 1453.58,2749.33 RH42.1@1577.36,2749.33 ; QK12.2@1454.1,2738.53 cw(c1480.16,2712.47) 1480.16,2749.33 ; QK12.2@1454.1,2738.53 cw(c1480.16,2712.47) 1480.16,2749.33 ; QK12.2@1454.1,2738.53 cw(c1480.16,2712.47) 1480.16,2749.33